# KiCad board jetson-orin-baseboard.kicad_pcb (continued)
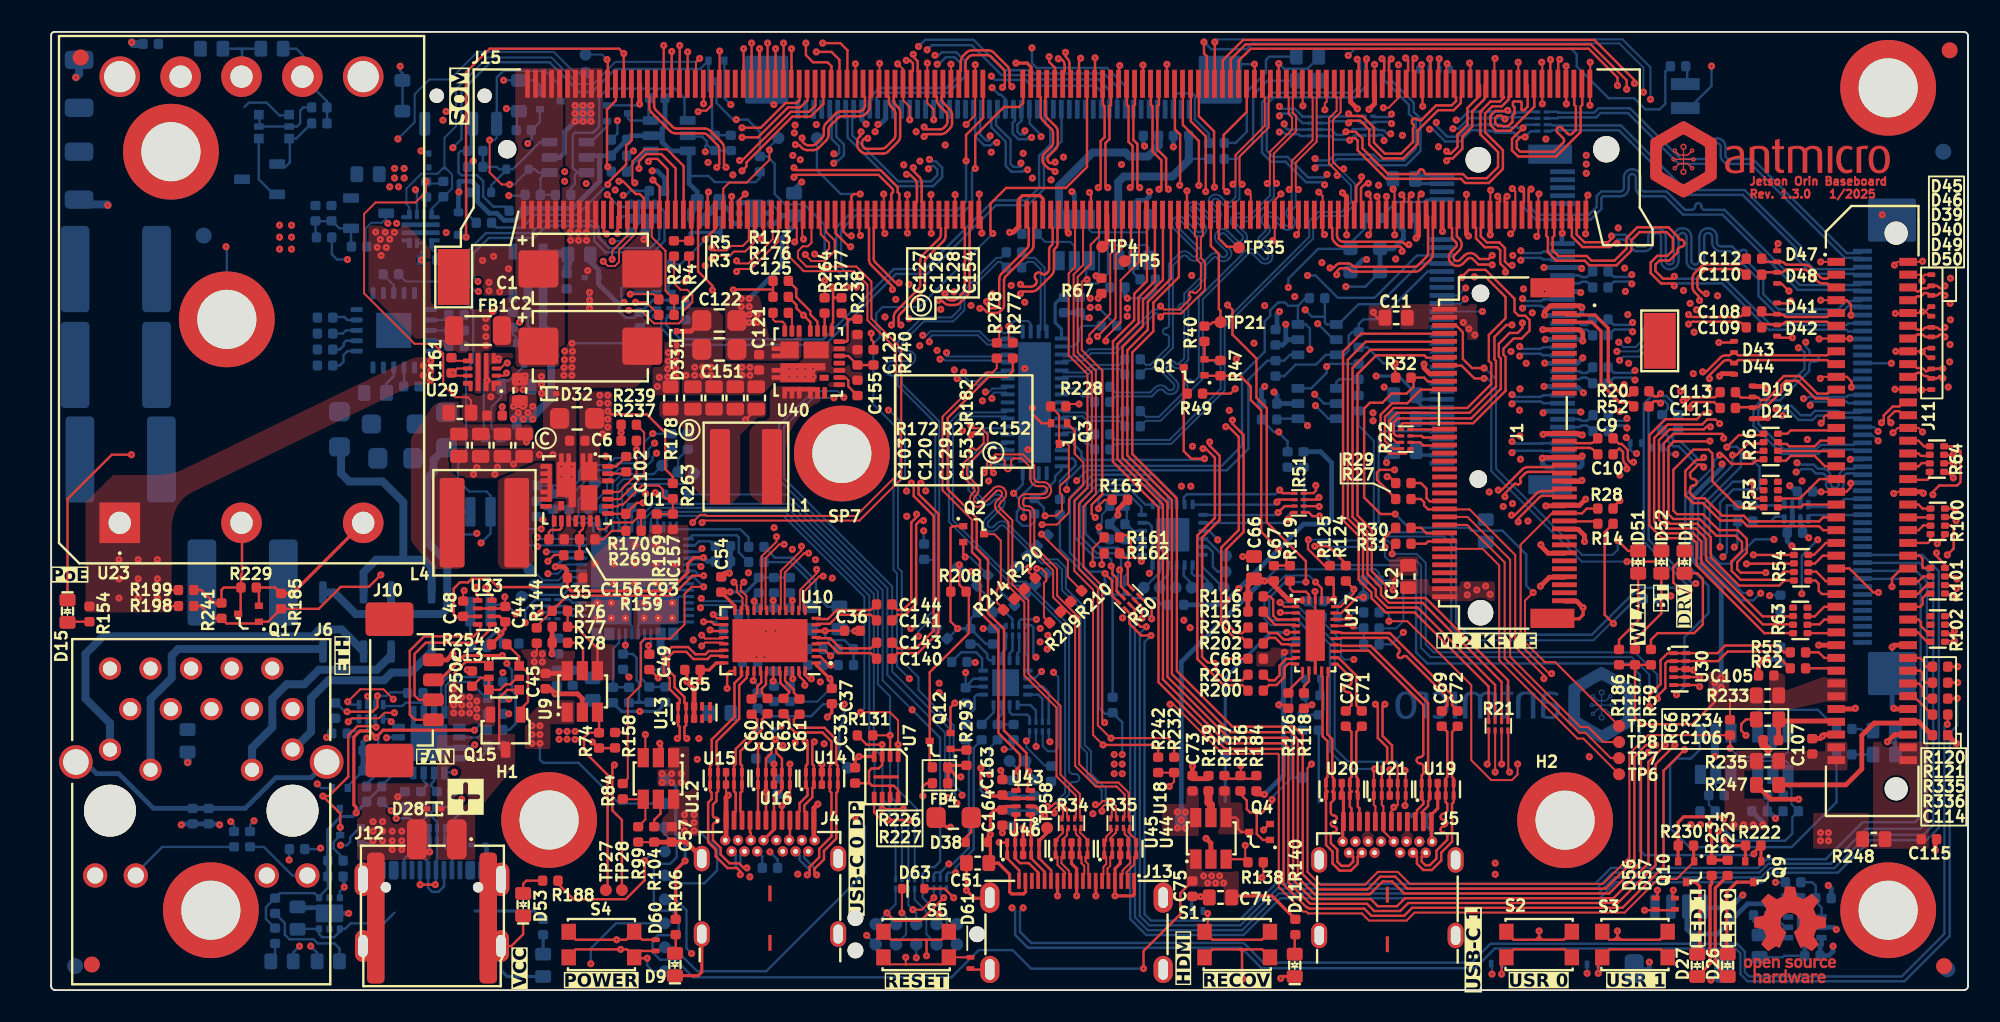
[diagram p0: board, top side]
## Routing (per net, layer and track width the routed paths; a pad name or vN(x,y) marks a point on that pad's centre or on a via; arc(x,y) is an arc through that point) (continued)
DP1_HDMI_AUX_P: length 15.8
  Top w0.125: 71.6,48.54 71.6,47.23 71.72,47.11 71.72,45.75 71.97,45.5 71.97,43.95 71.71,43.69 arc(71.61,43.64) 71.5,43.69 71.49,43.7 arc(71.38,43.75) 71.27,43.7 arc(71.23,43.6) 71.27,43.49 71.29,43.48 arc(71.33,43.37) 71.29,43.26 70.64,42.61 69.66,42.61 v1(69.45,42.83)
  Bottom w0.125: v1(69.45,42.83) 69.24,42.61 68.99,42.61 66.5,40.13 65,40.13 64.55,39.67 63.38,39.67 U36.3
DP1_HPD: length 8.1
  Top w0.15: 72.14,41.7 72.6,41.7 72.72,41.83 TP21.1 73.2,42.55 73.1,42.65 73.1,46.1 72.6,46.6 72.6,48.54
DP1_TXD0_HDMI_TX2_N: length 33.1
  Top w0.125: 80.85,56.74 80.85,56.02 80.72,55.89 80.72,54.97 80.25,54.49 80.25,51.86 80.68,51.42 v1(80.91,51.42)
  Bottom w0.125: v1(80.91,51.42) 80.91,51.19 81.62,50.48 81.62,49.22 80.88,48.47 79.42,48.47 79,48.06 79,47.07 73.47,41.53 73.47,37.55 70.12,34.2 66.64,34.2 66.28,33.85
DP1_TXD0_HDMI_TX2_P: length 33.1
  Top w0.125: v1(80.51,51.02) 80.51,51.25 80,51.76 80,54.59 80.47,55.07 80.47,55.89 80.35,56.02 80.35,56.74
  Bottom w0.125: 66.28,34.8 66.64,34.45 70.01,34.45 73.22,37.65 73.22,38.99 arc(73.16,39.12) 73.03,39.18 arc(72.89,39.23) 72.84,39.36 72.84,39.39 arc(72.89,39.52) 73.03,39.58 arc(73.16,39.63) 73.22,39.77 73.22,41.63 78.75,47.17 78.75,48.16 79.32,48.72 80.78,48.72 81.38,49.32 81.38,50.38 80.74,51.02 v1(80.51,51.02)
DP1_TXD0_N: length 34.1
  Top w0.125: 46.8,23.78 46.88,23.86 46.88,25.05 47.92,26.1 v1(47.92,26.34)
  In5.Cu w0.125: v1(58.89,37.05) 58.89,37.21 59.03,37.34 59.55,37.34 59.88,37.02 59.88,36.66 arc(60.03,36.27) 60.42,36.11 60.6,36.11 arc(60.73,36.05) 60.79,35.91 60.79,35.91 arc(60.73,35.77) 60.6,35.71 60.05,35.71 60.05,35.7 58.96,35.7 arc(58.57,35.54) 58.41,35.16 arc(58.57,34.77) 58.96,34.61 60.45,34.61 arc(60.48,34.59) 60.49,34.56 60.49,34.25 arc(60.48,34.22) 60.45,34.2 58.96,34.2 arc(58.57,34.04) 58.41,33.66 arc(58.57,33.27) 58.96,33.11 59.67,33.11 arc(59.82,33.05) 59.88,32.91 59.88,32.35 59.08,31.56 59.08,30.37 57.73,29.01 arc(57.6,28.96) 57.48,29.01 arc(57.36,29.07) 57.23,29.01 57.16,28.94 arc(57.11,28.82) 57.16,28.7 57.32,28.54 arc(57.33,28.5) 57.32,28.47 57.07,28.22 arc(57.04,28.2) 57,28.22 56.84,28.38 arc(56.72,28.43) 56.59,28.38 56.52,28.31 arc(56.47,28.18) 56.52,28.06 arc(56.58,27.94) 56.52,27.81 55.49,26.78 48.52,26.78 48.08,26.34 v1(47.92,26.34)
  Bottom w0.125: v1(58.89,37.05) 58.89,37.28 59.04,37.42 59.76,37.42 U36.31
DP1_TXD0_P: length 34.1
  Top w0.125: v1(48.33,25.92) 48.1,25.92 47.12,24.95 47.12,23.86 47.2,23.78
  In5.Cu w0.125: v1(58.49,37.45) 58.65,37.45 58.89,37.69 59.69,37.69 60.22,37.16 60.22,36.66 arc(60.28,36.52) 60.42,36.46 60.6,36.46 arc(60.98,36.3) 61.14,35.91 61.14,35.91 arc(60.98,35.52) 60.6,35.36 60.05,35.36 60.05,35.36 58.96,35.36 arc(58.82,35.3) 58.76,35.16 arc(58.82,35.01) 58.96,34.95 60.45,34.95 arc(60.72,34.84) 60.84,34.56 60.84,34.25 arc(60.72,33.97) 60.45,33.86 58.96,33.86 arc(58.82,33.8) 58.76,33.66 arc(58.82,33.51) 58.96,33.45 59.67,33.45 arc(60.06,33.29) 60.22,32.91 60.22,32.21 59.44,31.42 59.44,30.23 55.63,26.42 48.66,26.42 48.33,26.09 v1(48.33,25.92)
  Bottom w0.125: U36.32 59.76,37.67 58.94,37.67 58.72,37.45 v1(58.49,37.45)
DP1_TXD1_HDMI_TX1_N: length 31.2
  Top w0.125: 79.35,56.74 79.35,56.02 79.22,55.89 79.22,53.13 77.92,51.82 77.92,50.29 v1(78.08,50.13)
  Bottom w0.125: v1(78.08,50.13) 77.92,49.97 77.92,49.09 77.64,48.82 arc(77.58,48.66) 77.64,48.5 77.73,48.41 arc(77.87,48.07) 77.73,47.74 arc(77.4,47.6) 77.06,47.74 76.41,48.39 arc(76.26,48.45) 76.12,48.39 76.09,48.36 arc(76.03,48.22) 76.09,48.07 76.18,47.99 arc(76.31,47.67) 76.18,47.35 75.85,47.02 arc(75.79,46.88) 75.85,46.74 76.33,46.26 arc(76.46,45.94) 76.33,45.62 arc(76.01,45.49) 75.69,45.62 75.21,46.1 arc(75.07,46.16) 74.93,46.1 72.09,43.27 72.09,38.29 69.46,35.65 68.53,35.65 68.19,35.3
DP1_TXD1_HDMI_TX1_P: length 31.2
  Top w0.125: v1(77.5,50.13) 77.67,50.29 77.67,51.92 78.97,53.23 78.97,55.89 78.85,56.02 78.85,56.74
  Bottom w0.125: 68.19,36.25 68.53,35.9 69.35,35.9 71.09,37.63 arc(71.14,37.77) 71.09,37.9 arc(71.03,38.03) 71.09,38.17 71.1,38.18 arc(71.23,38.24) 71.37,38.18 arc(71.5,38.13) 71.64,38.18 71.84,38.39 71.84,43.37 74.75,46.28 arc(75.07,46.41) 75.39,46.28 75.87,45.8 arc(76.01,45.74) 76.15,45.8 arc(76.21,45.94) 76.15,46.08 75.67,46.56 arc(75.54,46.88) 75.67,47.2 76,47.53 arc(76.06,47.67) 76,47.81 75.91,47.9 arc(75.78,48.22) 75.91,48.53 75.95,48.57 arc(76.26,48.7) 76.58,48.57 77.24,47.92 arc(77.4,47.85) 77.56,47.92 arc(77.62,48.07) 77.56,48.23 77.47,48.32 arc(77.33,48.66) 77.47,48.99 77.67,49.19 77.67,49.97 v1(77.5,50.13)
DP1_TXD1_N: length 34.2
  Top w0.125: v1(46.97,27.79) 46.97,27.54 45.67,26.24 45.67,23.86 45.6,23.78
  In5.Cu w0.125: v1(46.97,27.79) 47.17,27.79 47.3,27.92 53.34,27.92 arc(53.42,27.95) 53.46,28.04 arc(53.5,28.13) 53.58,28.16 53.69,28.16 arc(53.77,28.13) 53.81,28.04 arc(53.85,27.95) 53.94,27.92 54.84,27.92 56.2,29.28 56.2,29.63 arc(56.38,30.05) 56.81,30.23 57.85,30.23 arc(58.03,30.3) 58.1,30.48 arc(58.03,30.66) 57.85,30.73 56.81,30.73 arc(56.38,30.91) 56.2,31.33 arc(56.38,31.75) 56.81,31.93 57.35,31.93 arc(57.53,32) 57.6,32.18 arc(57.53,32.36) 57.35,32.43 56.38,32.43 56.38,32.45 55.97,32.45 arc(55.68,32.57) 55.56,32.86 55.56,33.24 arc(55.68,33.53) 55.97,33.65 56.15,33.65 arc(56.19,33.66) 56.2,33.7 56.2,35.65 57.08,36.53 57.08,38.08 56.88,38.29 v1(56.72,38.29)
  Bottom w0.125: U36.33 59.76,38.42 58.6,38.42 58.06,37.89 57.35,37.89 56.95,38.29 v1(56.72,38.29)
DP1_TXD1_P: length 34.1
  Top w0.125: v1(47.42,27.36) 47.15,27.36 45.92,26.14 45.92,23.86 46,23.78
  In5.Cu w0.125: v1(47.42,27.36) 47.42,27.54 47.44,27.56 54.98,27.56 56.56,29.14 56.56,29.63 arc(56.63,29.81) 56.81,29.88 57.85,29.88 arc(58.27,30.06) 58.45,30.48 arc(58.27,30.9) 57.85,31.08 56.81,31.08 arc(56.63,31.15) 56.56,31.33 arc(56.63,31.51) 56.81,31.58 57.35,31.58 arc(57.77,31.76) 57.95,32.18 arc(57.77,32.6) 57.35,32.78 56.38,32.78 56.38,32.8 55.97,32.8 arc(55.93,32.81) 55.91,32.86 55.91,33.24 arc(55.93,33.28) 55.97,33.3 56.15,33.3 arc(56.44,33.42) 56.56,33.7 56.56,35.51 57.44,36.39 57.44,38.22 57.12,38.53 v1(57.12,38.69)
  Bottom w0.125: v1(57.12,38.69) 57.12,38.46 57.45,38.14 57.96,38.14 58.5,38.67 59.76,38.67 U36.34
DP1_TXD2_HDMI_TX0_N: length 33.1
  Top w0.125: v1(76.71,50.51) 76.55,50.67 76.55,52.39 77.94,53.78 77.94,54.74 77.72,54.95 77.72,55.89 77.85,56.02 77.85,56.74
  Bottom w0.125: v1(76.71,50.51) 76.55,50.35 76.55,49.65 75.15,48.26 arc(74.85,48.13) 74.55,48.26 74.46,48.34 arc(74.34,48.4) 74.22,48.34 74.14,48.27 arc(74.09,48.15) 74.14,48.03 74.75,47.42 arc(74.87,47.12) 74.75,46.82 74.68,46.75 arc(74.37,46.63) 74.07,46.75 73.47,47.35 arc(73.35,47.41) 73.23,47.35 73.15,47.28 arc(73.1,47.16) 73.15,47.04 73.76,46.43 arc(73.88,46.13) 73.76,45.83 73.69,45.76 arc(73.38,45.64) 73.08,45.76 73,45.85 arc(72.87,45.9) 72.75,45.85 72.28,45.38 72.28,44.6 71.19,43.51 71.19,39.46 70.78,39.05 arc(70.51,38.94) 70.25,39.05 70.16,39.14 arc(70.07,39.17) 69.98,39.14 69.8,38.96 arc(69.77,38.87) 69.8,38.78 70.42,38.17 arc(70.57,37.81) 70.42,37.46 arc(70.07,37.31) 69.72,37.46 69.63,37.55 arc(69.45,37.62) 69.27,37.55 68.9,37.17 66.64,37.17 66.28,36.83
DP1_TXD2_HDMI_TX0_P: length 33
  Top w0.125: v1(76.13,50.51) 76.3,50.67 76.3,52.49 77.69,53.88 77.69,54.64 77.47,54.85 77.47,55.89 77.35,56.02 77.35,56.74
  Bottom w0.125: 66.28,37.78 66.64,37.42 68.8,37.42 69.1,37.72 arc(69.45,37.87) 69.8,37.72 69.89,37.64 arc(70.07,37.56) 70.25,37.64 arc(70.32,37.81) 70.25,37.99 69.63,38.61 arc(69.52,38.87) 69.63,39.14 69.8,39.31 arc(70.07,39.42) 70.33,39.31 70.42,39.23 arc(70.51,39.19) 70.6,39.23 70.94,39.56 70.94,42.39 arc(70.88,42.52) 70.76,42.57 arc(70.64,42.62) 70.58,42.75 70.58,42.8 arc(70.64,42.92) 70.76,42.97 arc(70.88,43.02) 70.94,43.14 70.94,43.61 72.03,44.7 72.03,45.48 72.57,46.03 arc(72.87,46.15) 73.17,46.03 73.26,45.94 arc(73.38,45.89) 73.51,45.94 73.58,46.01 arc(73.63,46.13) 73.58,46.26 72.98,46.86 arc(72.85,47.16) 72.98,47.46 73.05,47.53 arc(73.35,47.66) 73.65,47.53 74.25,46.93 arc(74.37,46.88) 74.5,46.93 74.57,47 arc(74.62,47.12) 74.57,47.25 73.97,47.85 arc(73.84,48.15) 73.97,48.45 74.04,48.52 arc(74.34,48.65) 74.64,48.52 74.73,48.43 arc(74.85,48.38) 74.98,48.43 76.3,49.75 76.3,50.35 v1(76.13,50.51)
DP1_TXD2_N: length 34.2
  Top w0.125: 44.4,23.78 44.47,23.86 44.47,27.15 45.41,28.09 v1(45.41,28.39)
  In5.Cu w0.125: v1(55.65,39.51) 55.81,39.51 55.86,39.46 55.86,39.25 55.68,39.07 arc(55.5,39) 55.32,39.07 55.07,39.33 arc(54.65,39.5) 54.22,39.33 arc(54.05,38.9) 54.22,38.48 54.47,38.23 arc(54.55,38.05) 54.47,37.87 54.28,37.67 54.28,36.48 arc(54.43,36.11) 54.81,35.95 54.98,35.95 arc(55.11,35.9) 55.16,35.77 55.16,35.73 arc(55.11,35.61) 54.98,35.55 54.8,35.55 arc(54.42,35.4) 54.27,35.02 54.27,34.97 arc(54.42,34.59) 54.8,34.44 54.98,34.44 arc(55.11,34.38) 55.16,34.25 55.16,34.22 arc(55.11,34.09) 54.98,34.03 54.81,34.03 arc(54.43,33.88) 54.28,33.5 54.28,32.94 55.22,31.99 55.22,31 54.93,30.7 53.35,30.7 52.26,29.62 arc(52.21,29.6) 52.16,29.62 arc(52.11,29.64) 52.06,29.62 51.98,29.55 arc(51.96,29.5) 51.98,29.44 arc(52.01,29.39) 51.98,29.34 51.42,28.78 46.03,28.78 45.64,28.39 v1(45.41,28.39)
  Bottom w0.125: U36.35 59.76,39.42 55.96,39.42 55.88,39.51 v1(55.65,39.51)
DP1_TXD2_P: length 34.2
  Top w0.125: 44.8,23.78 44.72,23.86 44.72,27.05 45.59,27.91 v1(45.89,27.91)
  In5.Cu w0.125: v1(56.05,39.91) 56.05,39.75 56.2,39.6 56.2,39.11 55.92,38.83 arc(55.5,38.65) 55.08,38.83 54.82,39.08 arc(54.65,39.15) 54.47,39.08 arc(54.4,38.9) 54.47,38.72 54.72,38.47 arc(54.9,38.05) 54.72,37.62 54.62,37.53 54.62,36.48 arc(54.68,36.36) 54.81,36.3 54.98,36.3 arc(55.36,36.15) 55.51,35.77 55.51,35.73 arc(55.36,35.36) 54.98,35.2 54.8,35.2 arc(54.67,35.15) 54.62,35.02 54.62,34.97 arc(54.67,34.84) 54.8,34.78 54.98,34.78 arc(55.36,34.63) 55.51,34.25 55.51,34.22 arc(55.36,33.84) 54.98,33.69 54.81,33.69 arc(54.68,33.63) 54.62,33.5 54.62,33.08 55.58,32.13 55.58,30.86 55.07,30.36 53.49,30.36 51.56,28.42 46.17,28.42 45.89,28.14 v1(45.89,27.91)
  Bottom w0.125: U36.36 59.76,39.67 56.06,39.67 56.05,39.68 v1(56.05,39.91)
DP1_TXD3_HDMI_TXC_N: length 31.1
  Top w0.125: 76.35,56.74 76.35,56.02 76.22,55.89 76.22,54.02 74.39,52.19 74.39,50.62 v1(74.56,50.46)
  Bottom w0.125: 68.19,38.55 68.53,38.9 68.91,38.9 70.22,40.22 70.22,45.38 70.8,45.96 arc(70.94,46.02) 71.09,45.96 71.25,45.8 arc(71.56,45.67) 71.88,45.8 arc(72.01,46.12) 71.88,46.43 70.47,47.85 arc(70.41,47.99) 70.47,48.13 arc(70.61,48.19) 70.75,48.13 71.55,47.34 arc(71.86,47.2) 72.18,47.34 arc(72.31,47.65) 72.18,47.97 71.39,48.77 arc(71.33,48.91) 71.39,49.05 arc(71.53,49.11) 71.67,49.05 72.47,48.25 arc(72.78,48.12) 73.1,48.25 arc(73.23,48.57) 73.1,48.89 72.77,49.23 arc(72.71,49.37) 72.77,49.51 arc(72.91,49.57) 73.05,49.51 73.38,49.17 arc(73.7,49.04) 74.02,49.17 74.39,49.55 74.39,50.3 v1(74.56,50.46)
DP1_TXD3_HDMI_TXC_P: length 31.1
  Top w0.125: 75.85,56.74 75.85,56.02 75.97,55.89 75.97,54.12 74.14,52.29 74.14,50.62 v1(73.98,50.46)
  Bottom w0.125: 68.19,39.5 68.53,39.15 68.8,39.15 69.97,40.32 69.97,40.86 arc(69.92,40.99) 69.79,41.05 arc(69.65,41.1) 69.6,41.23 69.6,41.26 arc(69.65,41.39) 69.79,41.45 arc(69.92,41.5) 69.97,41.64 69.97,45.48 70.63,46.13 arc(70.94,46.27) 71.26,46.13 71.42,45.97 arc(71.56,45.92) 71.7,45.97 arc(71.76,46.12) 71.7,46.26 70.29,47.67 arc(70.16,47.99) 70.29,48.31 arc(70.61,48.44) 70.93,48.31 71.72,47.51 arc(71.86,47.45) 72.01,47.51 arc(72.06,47.65) 72.01,47.8 71.21,48.59 arc(71.08,48.91) 71.21,49.23 arc(71.53,49.36) 71.85,49.23 72.64,48.43 arc(72.78,48.37) 72.92,48.43 arc(72.98,48.57) 72.92,48.71 72.59,49.05 arc(72.46,49.37) 72.59,49.69 arc(72.91,49.82) 73.23,49.69 73.56,49.35 arc(73.7,49.29) 73.84,49.35 74.14,49.65 74.14,50.3 v1(73.98,50.46)
DP1_TXD3_N: length 34.1
  Top w0.125: v1(42.74,25.55) 42.93,25.36 42.93,24.93 43.28,24.58 43.28,23.86 43.2,23.78
  In5.Cu w0.125: v1(42.74,25.55) 42.88,25.68 42.88,27.65 45.1,29.87 45.1,29.88 50.86,29.88 53.05,32.06 53.05,40.73 54.2,41.89 54.8,41.89 55.18,41.51 55.18,40.96 54.97,40.76 v1(54.97,40.6)
  Bottom w0.125: U36.37 59.76,40.42 58.6,40.42 58.02,41 55.15,41 54.97,40.83 v1(54.97,40.6)
DP1_TXD3_P: length 34.1
  Top w0.125: v1(43.36,25.55) 43.18,25.36 43.18,25.03 43.53,24.68 43.53,23.86 U10.18
  In5.Cu w0.125: v1(54.57,41) 54.73,41 54.83,41.1 54.83,41.37 54.66,41.53 54.34,41.53 53.39,40.59 53.39,31.92 51,29.53 45.25,29.53 44.56,28.83 arc(44.5,28.69) 44.56,28.55 44.61,28.49 arc(44.67,28.35) 44.61,28.21 arc(44.47,28.15) 44.33,28.21 44.27,28.27 arc(44.13,28.33) 43.99,28.27 arc(43.93,28.13) 43.99,27.98 44.05,27.93 arc(44.1,27.79) 44.05,27.64 arc(43.9,27.59) 43.76,27.64 43.71,27.7 arc(43.57,27.76) 43.42,27.7 43.23,27.5 43.23,25.68 v1(43.36,25.55)
  Bottom w0.125: U36.38 59.76,40.67 58.7,40.67 58.12,41.25 55.05,41.25 54.8,41 v1(54.57,41)
EEPROM_PWR: length 53
  Top w0.15: 52.61,12.79 52.76,12.79 53.02,12.53 U7.8 ; 52.61,12.79 52.52,12.7 ; 52.61,12.79 52.43,12.79 ; 52.52,12.7 52.43,12.79 ; 52.52,12.7 U7.7 ; 52.43,12.79 51.39,12.79 ; C33.2 51.22,12.96 51.39,12.79 ; 51.39,12.79 51.2,12.98 51.2,13.72 51.36,13.88 51.8,13.88 52.02,14.1 U7.3 52.02,15.37 v1(52.02,15.37) ; v1(52.02,15.37) 51.05,15.37 R131.2 ; v1(52.02,15.37) 52.02,15.31
  In1.Cu w0.15: v1(53.9,17.55) 53.1,16.75 52.5,16.75 52.02,16.27 52.02,15.31
  Bottom w0.125: 39.8,31.04 46.06,31.04 52.05,25.05 52.05,19.4 v1(53.9,17.55)
  Bottom w0.15: v1(53.9,17.55) 55.65,15.8 55.65,8.05 55.3,7.7 54.96,7.7 54.56,7.3 54.56,5.79 55.06,5.29 55.66,5.29 56.06,4.89 56.06,3.5 56.7,2.86
FAN_PWM: length 45.2
  Top w0.15: v1(35.55,50.65) 35.8,50.65 36.6,49.85 36.85,49.85 37.1,49.6 37.1,48.54 ; v1(26.61,25.23) 26.61,24.77 26.7,24.68 U33.5
  In3.Cu w0.125: v1(35.55,50.65) 35.55,51.75 35.25,52.05 31.28,52.05 30.85,51.62 30.85,42 30.06,41.22 29.15,41.22 28.58,41.78 28.58,42.8 28.11,43.27 27,43.27 25.87,42.14 25.87,38.41 24.49,37.03 24.49,28.82 26.61,26.7 v1(26.61,25.23)
FAN_TACH: length 52
  Top w0.15: 42.6,48.54 42.6,48.55 v1(42.6,49.7) ; U33.4 27.6,24.66 27.21,25.05 v1(27.21,25.22)
  In1.Cu w0.155: v1(33.5,50.5) 33.5,50.55 34.05,51.1 35.65,51.1 36.9,52.35 37.75,52.35 38.9,51.2 41.1,51.2 v1(42.6,49.7)
  In3.Cu w0.125: v1(33.5,50.5) 33.5,51.4 33.15,51.75 31.45,51.75 31.15,51.45 31.15,41.84 30.14,40.83 28.78,40.83 28.25,41.36 28.25,42.6 27.92,42.93 27.17,42.93 26.17,41.93 26.17,38.36 24.77,36.95 24.77,29 27.21,26.56 v1(27.21,25.22)
GBE_LED_ACT: length 83.9
  Top w0.125: 46.1,48.54 46.1,46.03 47.11,45.02 50.25,45.02 51.1,44.17 51.1,41.95 52.88,40.17 52.88,32.18 50.39,29.69 41.04,29.69 40.97,29.76 40.63,29.76 40.16,29.3 v1(40.16,29.28)
  In5.Cu w0.125: v1(40.16,29.28) 40.35,29.46 40.35,31.55 40.09,31.81 37,31.81 36.13,30.95 29.11,30.95 28.41,30.25 28.41,28.09 27.31,26.99 23.44,26.99 19.05,22.6 19.05,13.55 17.35,11.85 17.35,10.55 15.95,9.15 12.85,9.15 12.7,9.3 v1(12.7,10.6)
  Bottom w0.15: 12.48,9.96 12.48,10.38 v1(12.7,10.6)
GBE_LED_LINK: length 86.4
  Top w0.125: v1(40.75,29.28) 40.88,29.4 50.6,29.4 53.22,32.02 53.22,40.18 51.35,42.05 51.35,44.37 50.41,45.31 47.29,45.31 46.75,45.85 46.75,46.28 47.05,46.58 47.38,46.58 47.6,46.8 47.6,48.54
  In5.Cu w0.125: v1(11.25,10.55) 11.25,9.45 11.85,8.85 16.05,8.85 17.7,10.5 17.7,11.7 19.35,13.35 19.35,22.55 23.54,26.74 27.43,26.74 28.66,27.97 28.66,30.15 29.18,30.67 36.21,30.67 37.1,31.56 39.39,31.56 39.75,31.2 39.75,29.05 40.05,28.75 40.65,28.75 40.75,28.85 v1(40.75,29.28)
  Bottom w0.15: 11.45,9.94 11.45,10.35 v1(11.25,10.55)
GBE_MDI0_N: length 80.3
  Top w0.125: 48.52,47.74 48.52,47.47 49.05,46.95 49.05,46.28 48.42,45.65 47.6,45.65 47.21,46.04 v1(47.21,46.06)
  In5.Cu w0.125: v1(47.21,46.06) 47.45,45.82 47.45,44.92 47.08,44.55 46.25,44.55 43.62,47.17 43.62,47.62 43.05,48.2 23.53,48.2 16.33,41 16.33,39.32 14.33,37.32 14.33,27.46 10.05,23.18 10.05,19.21 11.12,18.13 11.12,16.42 10.58,15.88 9.31,15.88 arc(9.19,15.93) 9.13,16.06 9.13,16.19 arc(9.08,16.31) 8.95,16.37 8.86,16.37 arc(8.74,16.31) 8.68,16.19 8.68,16.06 arc(8.63,15.93) 8.5,15.88 6.52,15.88 5.82,16.58 4.52,16.58 3.55,17.55 3.55,17.98 4.2,18.62 4.52,18.62 4.95,18.19
GBE_MDI0_P: length 80.3
  Top w0.125: v1(47.8,46.09) 47.92,45.97 48.25,45.97 48.7,46.43 48.7,46.8 48.17,47.33 48.17,47.74
  In5.Cu w0.125: v1(47.8,46.09) 47.8,44.78 47.22,44.2 46.1,44.2 43.28,47.03 43.28,47.48 42.9,47.85 23.67,47.85 16.67,40.85 16.67,39.18 14.67,37.18 14.67,27.32 10.4,23.04 10.4,19.35 11.48,18.27 11.48,16.28 10.72,15.53 6.38,15.53 5.68,16.22 4.38,16.22 3.2,17.4 3.2,18.12 4.15,19.07 4.15,19.67 J6.1
GBE_MDI1_N: length 79.8
  Top w0.125: 47.02,47.74 47.02,47.1 v1(47.1,47.03)
  In5.Cu w0.125: v1(47.1,47.03) 47.05,47.08 47.05,47.3 46.5,47.85 44.75,47.85 43.42,49.17 20.23,49.17 15.17,44.12 15.17,40.07 12.34,37.23 arc(12.11,37.14) 11.88,37.23 11.69,37.42 arc(11.22,37.62) 10.74,37.42 arc(10.54,36.94) 10.74,36.46 11.81,35.39 arc(11.91,35.16) 11.81,34.93 arc(11.58,34.83) 11.35,34.93 10.28,36 arc(9.8,36.2) 9.32,36 arc(9.13,35.53) 9.32,35.05 10.4,33.97 arc(10.5,33.74) 10.4,33.51 arc(10.17,33.42) 9.94,33.51 9.76,33.7 arc(9.28,33.9) 8.8,33.7 8.12,33.02 8.12,22.95 7.43,22.25 5.93,22.25 4.88,21.2 4.88,19.33 5.63,18.58 6.57,18.58 7.05,19.05 7.85,19.05 J6.6
GBE_MDI1_P: length 79.8
  Top w0.125: v1(46.55,46.85) 46.67,46.97 46.67,47.74
  In5.Cu w0.125: J6.3 6.22,20.97 6.4,21.15 7,21.15 7.35,20.8 7.35,19.6 7.15,19.4 6.9,19.4 6.43,18.92 5.77,18.92 5.23,19.47 5.23,21.05 6.07,21.9 7.57,21.9 8.48,22.8 8.48,23.2 arc(8.53,23.34) 8.67,23.4 8.76,23.4 arc(8.9,23.46) 8.96,23.6 arc(8.9,23.74) 8.76,23.8 8.67,23.8 arc(8.53,23.86) 8.48,24 arc(8.53,24.14) 8.67,24.2 8.76,24.2 arc(8.9,24.26) 8.96,24.4 arc(8.9,24.54) 8.76,24.6 8.67,24.6 arc(8.53,24.66) 8.48,24.8 8.48,32.88 9.05,33.45 arc(9.28,33.55) 9.51,33.45 9.69,33.27 arc(10.17,33.07) 10.65,33.27 arc(10.85,33.74) 10.65,34.22 9.57,35.3 arc(9.48,35.53) 9.57,35.76 arc(9.8,35.85) 10.03,35.76 11.11,34.68 arc(11.58,34.48) 12.06,34.68 arc(12.26,35.16) 12.06,35.64 10.99,36.71 arc(10.89,36.94) 10.99,37.17 arc(11.22,37.27) 11.44,37.17 11.63,36.99 arc(12.11,36.79) 12.58,36.99 15.52,39.93 15.52,43.98 20.37,48.83 43.28,48.83 44.6,47.5 46.1,47.5 46.55,47.05 v1(46.55,46.85)
GBE_MDI2_N: length 79.6
  Top w0.125: v1(42.91,44.99) 43.07,45.16 43.8,45.16 45.52,46.88 45.52,47.74
  In5.Cu w0.125: J6.8 12.04,18.13 12.04,18.67 12.19,18.81 13.15,18.81 13.7,18.27 13.7,16.75 14.09,16.36 16.24,16.36 17.17,17.29 17.17,34.63 arc(17.33,34.69) 17.49,34.63 17.99,34.13 arc(18.4,33.96) 18.8,34.13 arc(18.97,34.54) 18.8,34.94 17.24,36.5 arc(17.18,36.66) 17.24,36.82 arc(17.4,36.89) 17.56,36.82 19.12,35.26 arc(19.53,35.09) 19.93,35.26 arc(20.1,35.67) 19.93,36.08 19.44,36.57 arc(19.37,36.73) 19.44,36.89 25.83,43.28 25.83,44.68 26.07,44.92 27.42,44.92 28.15,44.19 28.66,44.19 arc(28.8,44.14) 28.85,44 28.85,43.57 arc(29.02,43.18) 29.41,43.02 arc(29.79,43.18) 29.95,43.57 29.95,45.17 arc(30.01,45.31) 30.16,45.37 arc(30.3,45.31) 30.35,45.17 30.35,43.57 arc(30.52,43.18) 30.91,43.02 arc(31.29,43.18) 31.45,43.57 31.45,45.17 arc(31.51,45.31) 31.66,45.37 arc(31.8,45.31) 31.85,45.17 31.85,43.57 arc(32.02,43.18) 32.41,43.02 arc(32.79,43.18) 32.95,43.57 32.95,44 arc(33.01,44.14) 33.16,44.19 33.91,44.19 34.59,44.88 40.27,44.88 40.53,44.61 42.02,44.61 42.56,45.16 42.75,45.16 v1(42.91,44.99)
GBE_MDI2_P: length 79.7
  Top w0.125: v1(42.91,45.67) 43.07,45.5 43.66,45.5 45.17,47.02 45.17,47.74
  In5.Cu w0.125: v1(42.91,45.67) 42.75,45.5 42.42,45.5 41.86,44.95 40.68,44.95 40.41,45.22 34.45,45.22 33.77,44.55 33.16,44.55 arc(32.77,44.38) 32.6,44 32.6,43.57 arc(32.55,43.43) 32.41,43.37 arc(32.26,43.43) 32.2,43.57 32.2,45.17 arc(32.04,45.56) 31.66,45.72 arc(31.27,45.56) 31.1,45.17 31.1,43.57 arc(31.05,43.43) 30.91,43.37 arc(30.76,43.43) 30.7,43.57 30.7,45.17 arc(30.54,45.56) 30.16,45.72 arc(29.77,45.56) 29.6,45.17 29.6,43.57 arc(29.55,43.43) 29.41,43.37 arc(29.26,43.43) 29.2,43.57 29.2,44 arc(29.04,44.38) 28.66,44.55 28.29,44.55 27.56,45.28 25.93,45.28 25.48,44.82 25.48,43.42 19.19,37.14 arc(19.02,36.73) 19.19,36.32 19.69,35.83 arc(19.75,35.67) 19.69,35.51 arc(19.53,35.44) 19.37,35.51 17.81,37.07 arc(17.4,37.24) 17,37.07 arc(16.83,36.66) 17,36.26 18.55,34.7 arc(18.62,34.54) 18.55,34.38 arc(18.4,34.31) 18.24,34.38 17.74,34.88 arc(17.33,35.04) 16.93,34.88 16.83,34.77 16.83,19.23 arc(16.77,19.09) 16.62,19.03 16.41,19.03 arc(16.27,18.98) 16.21,18.83 arc(16.27,18.69) 16.41,18.64 16.62,18.64 arc(16.77,18.58) 16.83,18.44 16.83,17.43 16.1,16.71 14.23,16.71 14.05,16.89 14.05,18.41 13.29,19.17 12.06,19.17 11.3,19.92
GBE_MDI3_N: length 79.9
  Top w0.125: v1(41.35,45.8) 41.53,45.97 42.47,45.97 42.75,46.25 43.45,46.25 44.02,46.82 44.02,47.74
  In5.Cu w0.125: J6.10 15.12,19.25 15.98,20.11 15.98,21.52 arc(15.84,21.86) 15.5,22 14.4,22 arc(14.31,22.03) 14.27,22.12 14.27,22.27 arc(14.31,22.36) 14.4,22.39 15.5,22.39 arc(15.84,22.53) 15.98,22.87 15.98,23.02 arc(15.84,23.36) 15.5,23.5 14.4,23.5 arc(14.31,23.53) 14.27,23.62 14.27,23.77 arc(14.31,23.86) 14.4,23.89 15.5,23.89 arc(15.84,24.03) 15.98,24.37 15.98,24.52 arc(15.84,24.86) 15.5,25 14.4,25 arc(14.31,25.03) 14.27,25.12 14.27,25.27 arc(14.31,25.36) 14.4,25.39 15.5,25.39 arc(15.84,25.53) 15.98,25.87 15.98,36.78 18.28,39.08 arc(18.44,39.47) 18.28,39.87 17.92,40.23 arc(17.86,40.38) 17.92,40.52 18.05,40.66 arc(18.2,40.72) 18.34,40.66 19.61,39.39 arc(20,39.23) 20.39,39.39 20.52,39.52 arc(20.69,39.92) 20.52,40.31 19.26,41.57 arc(19.2,41.72) 19.26,41.86 19.39,42 arc(19.54,42.06) 19.68,42 20.95,40.73 arc(21.34,40.57) 21.73,40.73 21.87,40.87 arc(22.03,41.26) 21.87,41.65 20.6,42.92 arc(20.54,43.06) 20.6,43.21 20.74,43.34 arc(20.88,43.4) 21.03,43.34 22.29,42.08 arc(22.69,41.91) 23.08,42.08 23.21,42.21 arc(23.37,42.6) 23.21,43 21.95,44.26 arc(21.89,44.41) 21.95,44.55 22.08,44.69 arc(22.23,44.75) 22.37,44.69 23.64,43.42 arc(24.03,43.26) 24.42,43.42 24.56,43.55 arc(24.72,43.95) 24.56,44.34 24.19,44.7 arc(24.13,44.85) 24.19,44.99 25.24,46.05 26.36,46.05 26.94,46.62 30.88,46.62 31.33,46.17 38.02,46.17 38.47,46.62 39.88,46.62 40.53,45.97 41.18,45.97 v1(41.35,45.8)
GBE_MDI3_P: length 79.9
  Top w0.125: v1(41.35,46.49) 41.51,46.33 42.28,46.33 42.55,46.6 43.3,46.6 43.67,46.97 43.67,48.47
  In5.Cu w0.125: 14,20.13 14.45,19.68 15.05,19.68 15.62,20.25 15.62,20.5 arc(15.58,20.6) 15.48,20.64 15.47,20.64 arc(15.37,20.68) 15.33,20.78 15.33,20.85 arc(15.37,20.95) 15.47,20.99 15.48,20.99 arc(15.58,21.03) 15.62,21.13 15.62,21.52 arc(15.59,21.61) 15.5,21.64 14.4,21.64 arc(14.06,21.78) 13.92,22.12 13.92,22.27 arc(14.06,22.61) 14.4,22.75 15.5,22.75 arc(15.59,22.78) 15.62,22.87 15.62,23.02 arc(15.59,23.11) 15.5,23.14 14.4,23.14 arc(14.06,23.28) 13.92,23.62 13.92,23.77 arc(14.06,24.11) 14.4,24.25 15.5,24.25 arc(15.59,24.28) 15.62,24.37 15.62,24.52 arc(15.59,24.61) 15.5,24.64 14.4,24.64 arc(14.06,24.78) 13.92,25.12 13.92,25.27 arc(14.06,25.61) 14.4,25.75 15.5,25.75 arc(15.59,25.78) 15.62,25.87 15.62,36.92 18.03,39.33 arc(18.09,39.47) 18.03,39.62 17.67,39.98 arc(17.51,40.38) 17.67,40.77 17.8,40.9 arc(18.2,41.07) 18.59,40.9 19.85,39.64 arc(20,39.58) 20.14,39.64 20.28,39.77 arc(20.34,39.92) 20.28,40.06 19.01,41.33 arc(18.85,41.72) 19.01,42.11 19.15,42.25 arc(19.54,42.41) 19.93,42.25 21.2,40.98 arc(21.34,40.92) 21.49,40.98 21.62,41.12 arc(21.68,41.26) 21.62,41.41 20.36,42.67 arc(20.19,43.06) 20.36,43.46 20.49,43.59 arc(20.88,43.75) 21.27,43.59 22.54,42.32 arc(22.69,42.26) 22.83,42.32 22.96,42.46 arc(23.02,42.6) 22.96,42.75 21.7,44.01 arc(21.54,44.41) 21.7,44.8 21.83,44.93 arc(22.23,45.1) 22.62,44.93 23.88,43.67 arc(24.03,43.61) 24.17,43.67 24.31,43.8 arc(24.37,43.95) 24.31,44.09 23.94,44.46 arc(23.78,44.85) 23.94,45.24 25.1,46.39 26.22,46.39 26.8,46.97 31.02,46.97 31.52,46.48 37.83,46.48 38.33,46.97 40.02,46.97 40.51,46.49 v1(41.35,46.49)
GPIO01: length 80
  Top w0.125: v1(106.25,33.45) 106.48,33.68 107.2,33.68 ; 67.1,48.54 67,48.45 67,46.4 66.64,46.04 66.64,42.07 v1(65.5,40.93)
  In5.Cu w0.125: v1(65.5,40.93) 65.5,40.5 65.4,40.4 65.4,31.45 64.9,30.95 64.9,28.55 65.25,28.2 67.5,28.2 69.85,25.85 69.85,22.15 70.4,21.6 86.65,21.6 87.4,20.85 94.4,20.85 97.25,23.7 103.23,23.7 105.1,25.57 105.1,27.4 104.75,27.75 v1(104.48,27.75)
  Bottom w0.15: v1(104.48,27.75) 104.48,30.53 105.3,31.35 106.8,31.35 106.95,31.5 106.95,32.75 v1(106.25,33.45)
GPIO07: length 140.5
  Top w0.15: 107.2,33.15 106.7,33.15 106.5,32.95 105.2,32.95 104.65,33.5 v1(104.45,33.5) ; 43.1,48.54 43.1,49.5 v1(43.45,49.85)
  In3.Cu w0.15: 35.31,49.54 35.92,48.92 35.92,45.03 35.15,44.25 35.15,42.15 33.85,40.85 33.85,31.24 33.25,30.64 33.25,19.05 37.28,15.03 39.83,15.03 v1(40.55,15.75)
  In3.Cu w0.155: v1(35.31,50.1) 35.31,49.54
  In5.Cu w0.125: v1(40.55,15.75) 40.7,15.9 42.4,15.9 45.2,13.1 55.98,13.1 57.23,14.35 63.7,14.35 65.75,12.3 70.64,12.3 71.24,12.9 89,12.9 89.35,12.55 90.95,12.55 98.25,19.85 100.4,19.85 v1(101.75,18.5)
  In5.Cu w0.15: v1(35.31,50.1) 35.41,50.2 36,50.2 36.25,49.95 39.75,49.95 40.85,51.05 41.95,51.05 43.15,49.85 v1(43.45,49.85)
  Bottom w0.15: v1(104.45,33.5) 104.1,33.15 104.1,32.8 102.3,31 102.3,26.75 103.75,25.3 103.75,23.6 102.25,22.1 102.25,19 v1(101.75,18.5)
GPIO09: length 130.8
  Top w0.15: 41.85,56.74 41.85,58.69 41.85,58.69 v1(41.85,58.8) ; 107.2,30.78 106.72,30.78 106.48,31.02 v1(106.48,31.84)
  In3.Cu w0.125: v1(41.85,58.8) 40.84,57.79 39.74,57.79 38.35,56.4 38.35,50.31 38.05,50.01 38.05,42.21 36.4,40.56 36.4,37.19 37.29,36.3 38.79,36.3 39.95,35.14 39.95,32.65 42.62,29.97 42.62,29.38 47.8,24.2 54.5,24.2 55.65,23.05 60.06,23.05 61.03,24.02 71.28,24.02 75.82,19.48 75.82,17.38 78.3,14.9 95.66,14.9 106.12,25.36 107.2,25.36 107.88,26.04 107.88,28.19 v1(107.85,28.22)